# Altium PCB Computer_Board_Mockup.PcbDoc (part 5 of 5)
Units mm, origin at the board's own origin, x right, y up, seen from the top; angles counter-clockwise.
Board outline 185 x 165 mm, 4 copper layers (Top Layer, Layer 1, Layer 2, Bottom Layer), stack 1.57 mm thick; 400 components, 369 nets, 1989 pads, 984 vias.
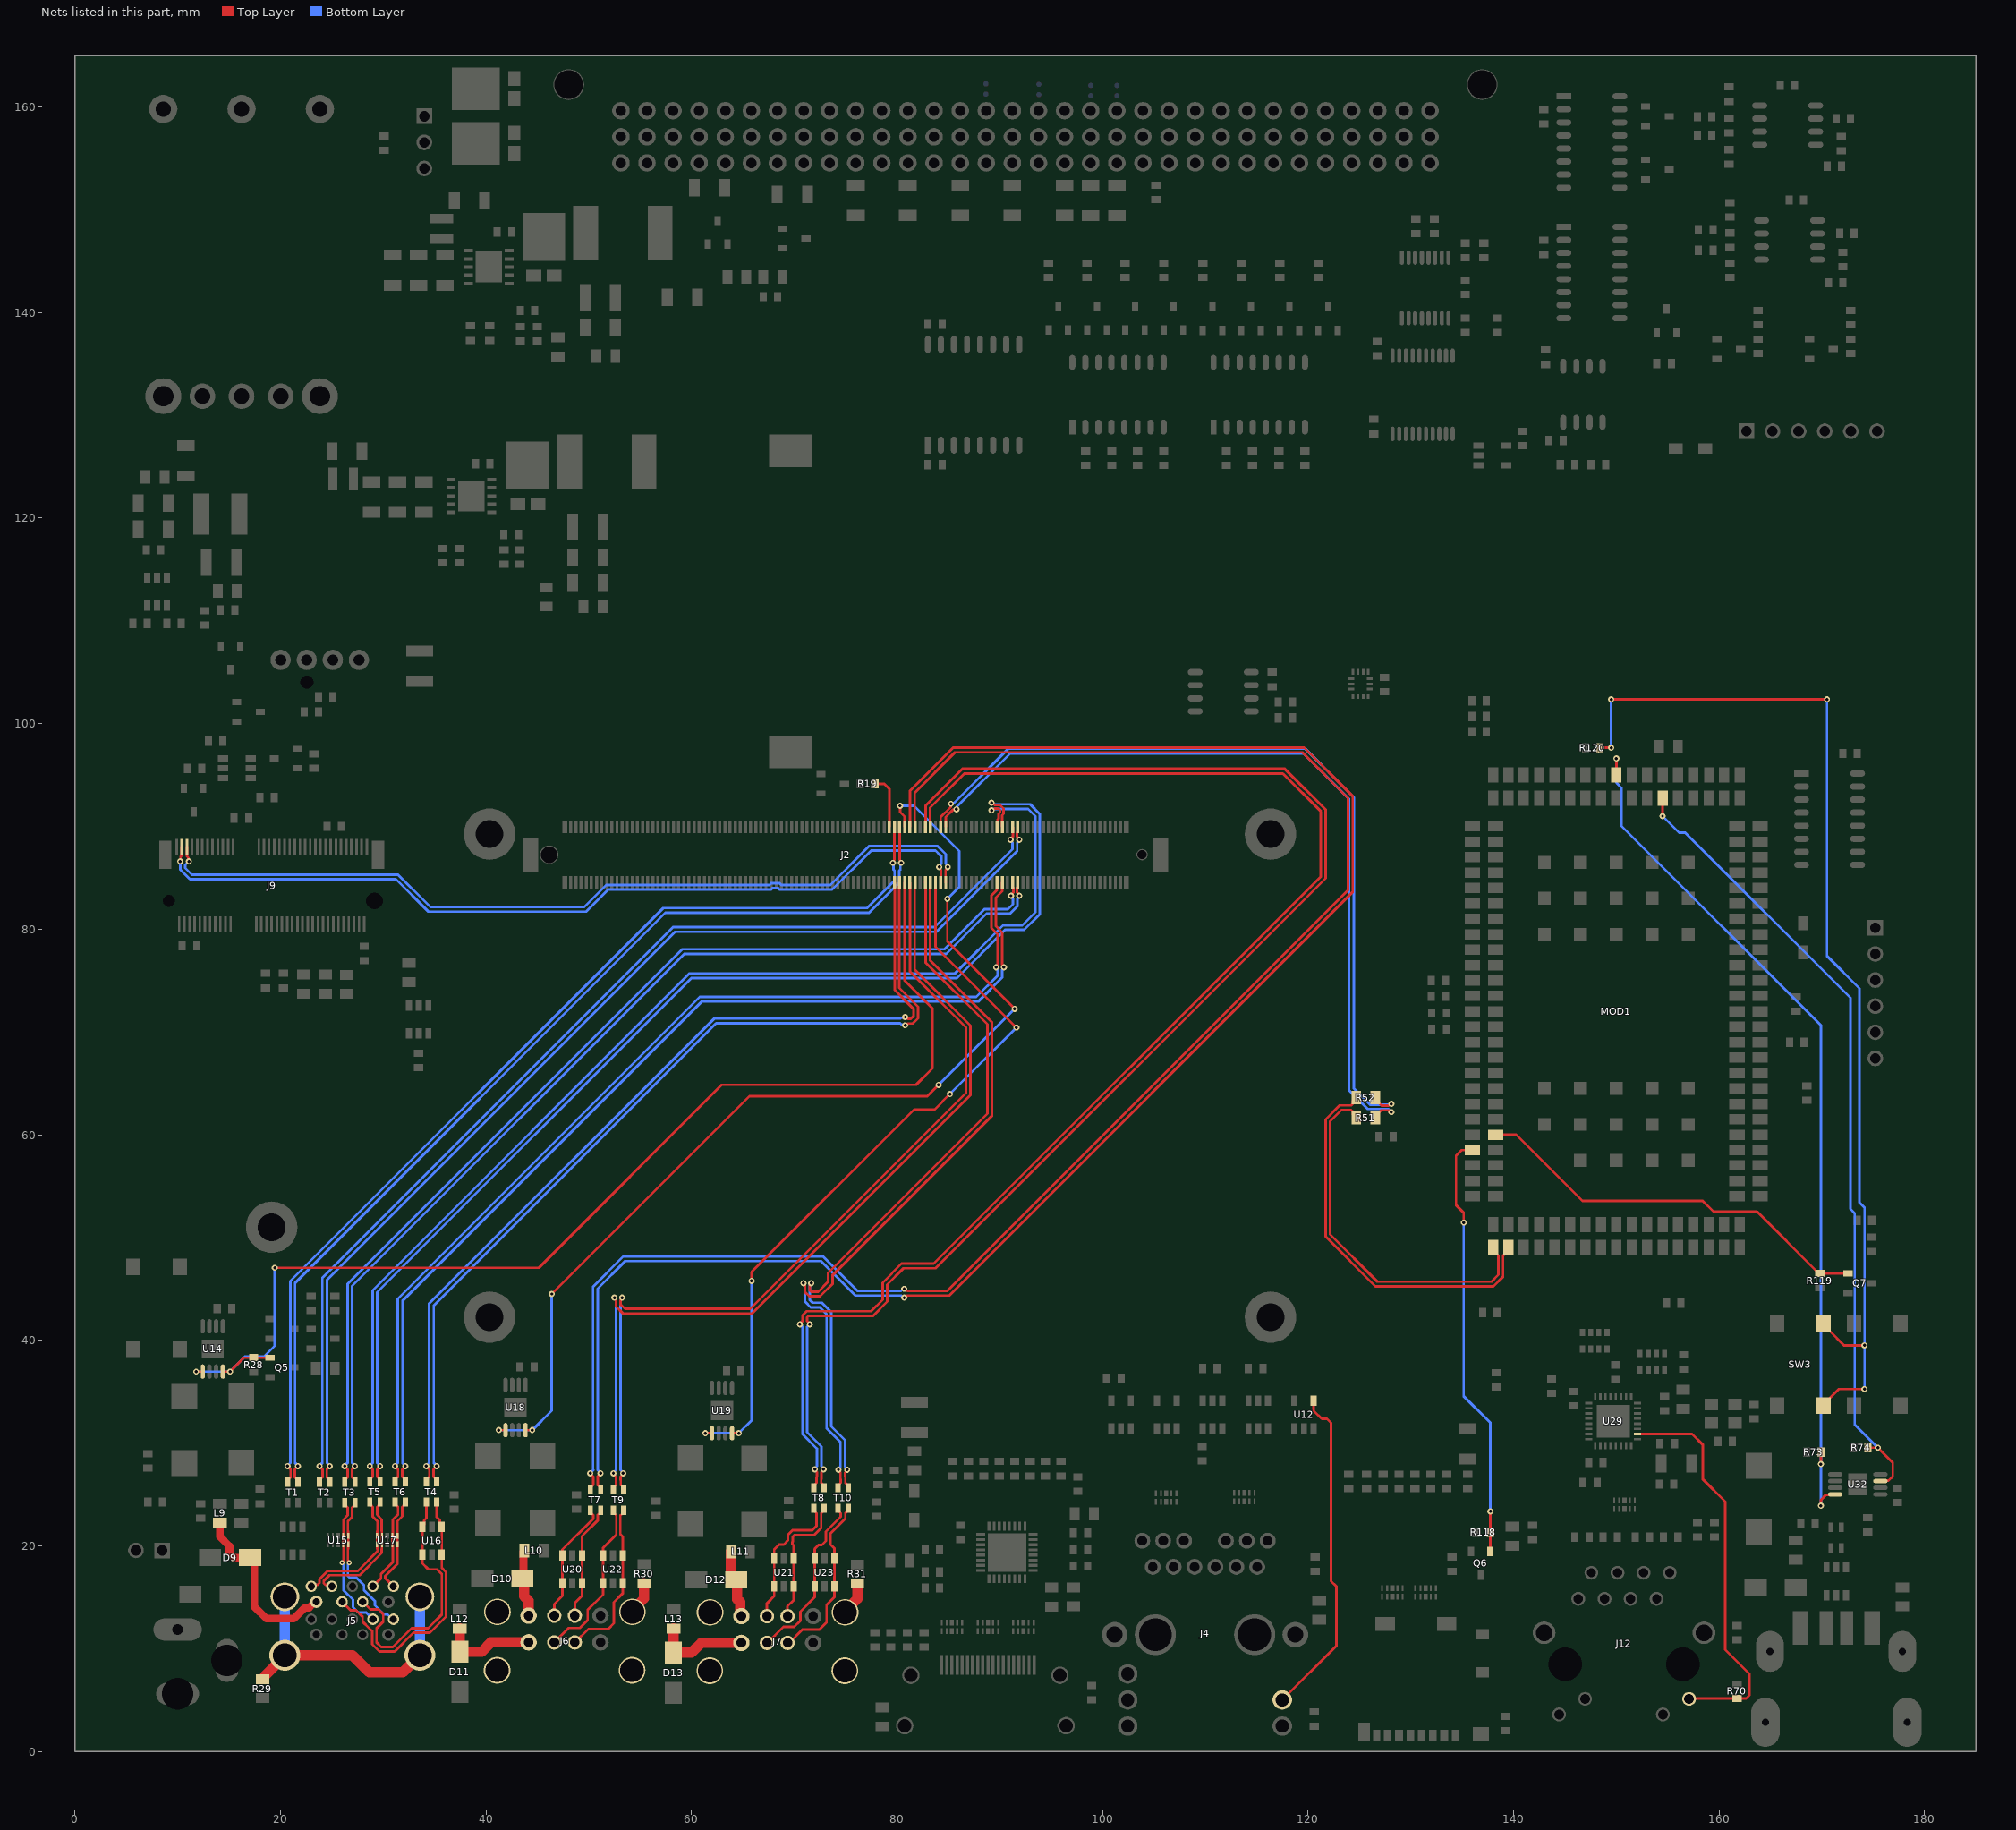
[diagram p7: the nets of this part, all layers, seen from the top]

## Via types
v1: diameter 0.6, hole 0.3, Top Layer to Bottom Layer, tented both sides, 775 vias
v2: diameter 0.8, hole 0.4, Top Layer to Bottom Layer, tented both sides, 113 vias
v3: diameter 0.5, hole 0.2, Top Layer to Bottom Layer, tented both sides, 38 vias
v4: diameter 0.6, hole 0.3, Top Layer to Bottom Layer, 22 vias
v5: diameter 0.45, hole 0.2, Top Layer to Bottom Layer, tented both sides, 16 vias
v6: diameter 0.9, hole 0.5, Top Layer to Bottom Layer, tented both sides, 12 vias
v7: diameter 0.5, hole 0.25, Top Layer to Bottom Layer, tented both sides, 5 vias
v8: diameter 0.45, hole 0.25, Top Layer to Bottom Layer, tented both sides, 3 vias

## Nets (pads, with @x,y where several pads share a name; then routed paths per layer and width w, separated by ;. In a path a pad name is that pad's centre, name@x,y a point inside that pad or via, vN(x,y) a via of type N, cw(c..) or ccw(c..) an arc to the next point about the centre after c; other vN are vias at no path point) (continued)
USB0_C_TX_N: J5.8 T3.3 U15.4 U15.7 | length 13.4
  Top Layer w0.25: v3(26,18.35) 26,18.418 26.137,18.555 26.137,19.682 26.125,19.694 26.125,20.107 U15.4@26.1,20.132 U15.7@26.1,20.968 26.125,20.993 26.125,21.406 26.137,21.418 26.137,22.573 26.538,22.973 26.538,23.729 26.391,23.875 26.375,23.875 26.25,24 T3.3@26.25,24.2
  Bottom Layer w0.25: v3(26,18.35) 26,18.282 26.137,18.145 26.137,16.425 26.125,16.412 26.125,15.688 27.05,14.763 27.05,14.037 27.587,13.5 28.35,13.5 J5.8@29,12.85
USB0_C_TX_P: J5.9 T3.2 U15.5 U15.6 | length 14.3
  Top Layer w0.25: v3(26.7,18.35) 26.7,18.418 26.562,18.555 26.562,19.682 26.575,19.694 26.575,20.107 U15.5@26.6,20.132 U15.6@26.6,20.968 26.575,20.993 26.575,21.406 26.562,21.418 26.562,22.397 26.963,22.797 26.963,23.729 27.109,23.875 27.125,23.875 27.25,24 T3.2@27.25,24.2
  Bottom Layer w0.25: v3(26.7,18.35) 26.7,18.282 26.562,18.145 26.562,17.071 26.709,16.925 27.362,16.925 28.125,16.162 28.125,15.688 29.2,14.613 29.2,14.2 30.074,13.326 30.429,13.326 30.905,12.85 J5.9@31,12.85
USB0_N: J2.A45 T1.1 | length 99.9
  Top Layer w0.25: T1.1@21.7,26.2 21.7,26.4 21.575,26.525 21.559,26.525 21.412,26.671 21.412,27.201 21.412,27.429 21.7,27.716 v1(21.7,27.75) ; 80.25,86.75 J2.A45@80.25,89.95
  Bottom Layer w0.25: v1(21.7,27.75) 21.7,27.796 21.425,28.071 21.425,45.575 57.45,81.6 77.286,81.6 80.218,84.532 80.218,85.682 80.333,85.797 80.333,86.383 v1(80.4,86.45)
USB0_P: J2.A46 T1.4 | length 99.9
  Top Layer w0.25: T1.4@20.7,26.2 20.7,26.4 20.825,26.525 20.841,26.525 20.987,26.671 20.987,27.025 20.987,27.429 20.7,27.716 v1(20.7,27.75) ; 79.75,86.75 J2.A46@79.75,89.95
  Bottom Layer w0.25: v1(20.7,27.75) 20.7,27.796 20.975,28.071 20.975,45.761 57.264,82.05 77.1,82.05 79.768,84.718 79.768,85.682 79.667,85.783 79.667,86.383 v1(79.6,86.45)
USB1_5V: D9.1 J5.10 L9.2 | length 17.7
  Top Layer w0.75: L9.2@14.1,22.25 14.1,20.9 15.05,19.95 15.05,19.3 15.5,18.85 D9.1@17.05,18.85 17.45,18.45 17.45,14.1 18.65,12.9 21.3,12.9 22.375,13.975 22.803,13.975 23.378,14.55 J5.10@23.5,14.55
USB1_C_N: J5.11 T4.2 U16.1 U16.6 | length 26.1
  Top Layer w0.25: J5.11@26,14.55 26.825,13.725 27.362,13.725 28,13.087 28,12.613 28.638,11.975 28.642,11.975 28.925,11.692 28.925,10.424 29.624,9.725 31.126,9.725 32.951,11.55 34.551,11.55 36.125,13.124 36.125,17.424 35.7,17.849 U16.6@35.7,19.15 U16.1@35.7,21.85 35.525,22.025 35.525,22.475 35.2,22.8 T4.2@35.2,24.25
USB1_C_P: J5.12 T4.3 U16.3 U16.4 | length 25.8
  Top Layer w0.25: J5.12@28,14.55 28.75,13.8 29.55,13.8 30,13.35 30,12.613 29.35,11.963 29.35,10.6 29.8,10.15 30.95,10.15 32.775,11.975 34.375,11.975 35.7,13.3 35.7,17.248 35.249,17.699 34.401,17.699 33.8,18.3 U16.4@33.8,19.15 U16.3@33.8,21.85 33.975,22.025 33.975,22.475 34.2,22.7 T4.3@34.2,24.25
USB1_C_RX_N: J5.14 T5.3 U17.1 U17.10 | length 13.2
  Top Layer w0.25: J5.14@23,16.05 23.163,16.213 23.637,16.213 23.788,16.364 23.788,16.747 24.605,17.565 27.533,17.565 29.438,19.469 29.438,19.682 29.425,19.694 29.425,20.107 U17.1@29.4,20.132 U17.10@29.4,20.968 29.425,20.993 29.425,21.406 29.438,21.418 29.438,22.397 28.988,22.847 28.988,23.779 28.841,23.925 28.825,23.925 28.7,24.05 T5.3@28.7,24.25
USB1_C_RX_P: J5.15 T5.2 U17.2 U17.9 | length 13.2
  Top Layer w0.25: J5.15@25,16.05 24.837,16.213 24.363,16.213 24.213,16.364 24.213,16.571 24.781,17.14 27.709,17.14 29.863,19.293 29.863,19.682 29.875,19.694 29.875,20.107 U17.2@29.9,20.132 U17.9@29.9,20.968 29.875,20.993 29.875,21.406 29.863,21.418 29.863,22.573 29.413,23.023 29.413,23.779 29.559,23.925 29.575,23.925 29.7,24.05 T5.2@29.7,24.25
USB1_C_TX_N: J5.17 T6.3 U17.4 U17.7 | length 9.4
  Top Layer w0.25: J5.17@29,16.05 29.788,16.838 29.788,17.254 30.937,18.404 30.937,19.682 30.925,19.694 30.925,20.107 U17.4@30.9,20.132 U17.7@30.9,20.968 30.925,20.993 30.925,21.406 30.937,21.418 30.937,22.548 31.438,23.048 31.438,23.779 31.291,23.925 31.275,23.925 31.15,24.05 T6.3@31.15,24.25
USB1_C_TX_P: J5.18 T6.2 U17.5 U17.6 | length 9.4
  Top Layer w0.25: J5.18@31,16.05 30.213,16.837 30.213,17.078 31.363,18.228 31.363,19.682 31.375,19.694 31.375,20.107 U17.5@31.4,20.132 U17.6@31.4,20.968 31.375,20.993 31.375,21.406 31.363,21.418 31.363,22.372 31.863,22.872 31.863,23.779 32.009,23.925 32.025,23.925 32.15,24.05 T6.2@32.15,24.25
USB1_DRVVBUS: MOD1.107 R74.2 U32.3 | length 78
  Top Layer w0.25: v1(154.5,91) MOD1.107@154.5,92.75 ; R74.2@174.5,29.55 v1(175.45,29.55) 176.9,28.1 176.9,26.75 176.483,26.333 175.733,26.333 U32.3@175.7,26.3
  Bottom Layer w0.25: v1(154.5,91) 156.1,89.4 156.7,89.4 172.775,73.325 172.775,52.775 173.2,52.35 173.2,31.8 v1(175.45,29.55)
USB1_N: J2.B45 T4.1 | length 90.3
  Top Layer w0.25: T4.1@35.2,26.25 35.2,26.45 35.075,26.575 35.059,26.575 34.912,26.721 34.912,27.429 v1@35.2,27.716 ; J2.B45@80.25,84.55 80.225,84.525 80.225,84.025 80.225,74.275 82.05,72.45 82.05,71.333 81.542,70.825 81.07,70.825 80.895,70.65 v1(80.8,70.65)
  Bottom Layer w0.25: v1(35.2,27.75) 35.2,27.796 34.925,28.071 34.925,34.35 34.925,43.375 62.4,70.85 80.3,70.85 80.433,70.717 80.733,70.717 v1(80.8,70.65)
USB1_OCn: MOD1.93 R73.1 U32.8 | length 85.9
  Top Layer w0.25: MOD1.93@150,95 v1(150,96.6) ; v1(169.9,23.9) 169.9,24.45 170.417,24.967 171.267,24.967 U32.8@171.3,25 ; v1(169.9,27.95) R73.1@169.9,29.1
  Bottom Layer w0.25: v1(150,96.6) 150,94.25 150.5,93.75 150.5,90.05 169.9,70.65 v1(169.9,27.95) v1(169.9,23.9)
USB1_P: J2.B46 T4.4 | length 90.3
  Top Layer w0.25: T4.4@34.2,26.25 34.2,26.45 34.325,26.575 34.341,26.575 34.487,26.721 34.487,27.429 v1@34.2,27.716 ; J2.B46@79.75,84.55 79.775,84.525 79.775,74.089 81.6,72.264 81.6,71.52 81.355,71.275 81.07,71.275 80.895,71.45 v1(80.8,71.45)
  Bottom Layer w0.25: v1(34.2,27.75) 34.2,27.796 34.475,28.071 34.475,34.536 34.475,43.561 62.214,71.3 80.3,71.3 80.383,71.383 80.733,71.383 v1(80.8,71.45)
USB2_5V: D10.1 J6.1 L10.2 | length 6.6
  Top Layer w0.75: D10.1@43.65,16.8 43.65,19.45 L10.2@43.75,19.55 ; D10.1@43.85,16.8 D10.1@43.9,16.75
  Top Layer w1: D10.1@43.7,16.75 43.7,15.1 44.15,14.65 J6.1@44.15,13.2
USB2_C_N: J6.2 T7.3 U20.1 U20.6 | length 11.9
  Top Layer w0.25: J6.2@46.65,13.2 46.65,14.343 47.45,15.143 U20.1@47.45,16.35 U20.6@47.45,19.05 47.45,19.637 50.438,22.625 50.438,22.979 50.291,23.125 50.275,23.125 50.15,23.25 T7.3@50.15,23.45
USB2_C_P: J6.3 T7.2 U20.3 U20.4 | length 11.3
  Top Layer w0.25: J6.3@48.65,13.2 48.65,14.432 49.35,15.132 U20.3@49.35,16.35 U20.4@49.35,19.05 49.35,20.936 50.863,22.449 50.863,22.979 51.009,23.125 51.025,23.125 51.15,23.25 T7.2@51.15,23.45
USB2_N: J2.A42 T7.4 | length 170.5
  Top Layer w0.25: T7.4@50.15,25.45 50.15,25.65 50.275,25.775 50.291,25.775 50.438,25.921 50.438,26.729 50.15,27.016 v1(50.15,27.05) ; v1(80.7,45) 80.795,45 80.995,44.8 84.9,44.8 123.9,83.8 123.9,92.75 119.45,97.2 85.65,97.2 81.725,93.275 81.725,90.475 81.725,89.975 J2.A42@81.75,89.95
  Bottom Layer w0.25: v1(50.15,27.05) 50.15,27.084 50.438,27.371 ; 50.425,27.371 50.425,34.525 50.425,45.211 53.364,48.15 72.8,48.15 76.15,44.8 80.405,44.8 80.605,45 v1(80.7,45)
USB2_P: J2.A43 T7.1 | length 171.9
  Top Layer w0.25: T7.1@51.15,25.45 51.15,25.65 51.025,25.775 51.009,25.775 50.863,25.921 50.863,26.729 51.15,27.016 v1(51.15,27.05) ; v1(80.7,44.15) 80.795,44.15 80.995,44.35 85.086,44.35 124.35,83.614 124.35,92.936 119.636,97.65 85.464,97.65 81.275,93.461 81.275,89.975 J2.A43@81.25,89.95
  Bottom Layer w0.25: v1(51.15,27.05) 51.15,27.096 50.875,27.371 50.875,34.711 50.875,45.025 53.55,47.7 72.614,47.7 75.964,44.35 80.405,44.35 80.605,44.15 v1(80.7,44.15)
USB3_5V: D11.1 J6.5 L12.2 | length 9.3
  Top Layer w1: L12.2@37.45,11.95 D11.1@37.45,9.7 39.6,9.7 40.5,10.6 J6.5@44.15,10.6
USB3_C_N: J6.6 T9.3 U22.1 U22.6 | length 16.1
  Top Layer w0.25: J6.6@46.65,10.6 48.05,12 49.15,12 49.9,12.75 49.9,13.75 51.4,15.25 U22.1@51.4,16.35 U22.6@51.4,19.05 51.4,19.8 52.688,21.088 52.688,22.979 52.541,23.125 52.525,23.125 52.4,23.25 T9.3@52.4,23.45
USB3_C_P: J6.7 T9.2 U22.3 U22.4 | length 16.2
  Top Layer w0.25: J6.7@48.65,10.6 49.95,11.9 51.9,11.9 52.45,12.45 52.45,14.5 53.3,15.35 U22.3@53.3,16.35 U22.4@53.3,19.05 53.3,20.9 53.075,21.125 53.075,22.941 53.259,23.125 53.275,23.125 53.4,23.25 T9.2@53.4,23.45
USB3_N: J2.B42 T9.4 | length 86.6
  Top Layer w0.25: T9.4@52.4,25.45 52.4,25.65 52.525,25.775 T9.4@52.529,25.775 ; v1(52.4,27.05) 52.4,26.979 52.65,26.729 52.65,26.189 52.675,26.164 52.675,25.921 T9.4@52.529,25.775 ; v1(52.5,44.15) 52.5,44.055 52.65,43.905 52.65,43.289 53.335,42.603 65.903,42.603 87.15,63.85 87.15,70.636 81.725,76.061 81.725,84.025 81.725,84.525 J2.B42@81.75,84.55 ; T9.4@52.541,25.775 T9.4@52.529,25.775
  Bottom Layer w0.25: v1(52.4,27.05) 52.4,27.121 52.65,27.371 52.65,34.35 52.65,43.905 52.5,44.055 v1(52.5,44.15)
USB3_P: J2.B43 T9.1 | length 85.1
  Top Layer w0.25: v1(53.25,44.15) 53.25,44.055 53.1,43.905 53.1,43.475 53.522,43.053 65.717,43.053 86.7,64.036 86.7,70.45 81.275,75.875 81.275,84.525 J2.B43@81.25,84.55 ; v1(53.35,27.05) 53.35,26.979 53.1,26.729 53.1,26.375 53.125,26.35 53.125,25.921 53.271,25.775 53.275,25.775 53.4,25.65 T9.1@53.4,25.45
  Bottom Layer w0.25: v1(53.25,44.15) 53.25,44.055 53.1,43.905 53.1,34.536 53.1,27.371 53.35,27.121 v1(53.35,27.05)
USB4_5V: D12.1 J7.1 L11.2 | length 6.9
  Top Layer w1: L11.2@63.85,19.45 63.85,17.025 D12.1@64.175,16.7 ; D12.1@64.35,16.7 D12.1@64.175,16.7 ; J7.1@64.85,13.15 64.735,13.265 64.735,14.515 64.45,14.8 64.45,16.425 D12.1@64.175,16.7
USB4_C_N: J7.2 T8.3 U21.1 U21.6 | length 14
  Top Layer w0.25: J7.2@67.35,13.15 67.35,14.4 68.05,15.1 U21.1@68.05,16.05 U21.6@68.05,18.75 68.05,19.65 68.527,20.127 68.977,20.127 69.404,20.554 69.404,21.065 69.839,21.5 71.754,21.5 72.175,21.921 72.175,23.179 72.029,23.325 72.025,23.325 71.9,23.45 T8.3@71.9,23.65
USB4_C_P: J7.3 T8.2 U21.3 U21.4 | length 13.2
  Top Layer w0.25: J7.3@69.35,13.15 69.35,14.1 69.95,14.7 U21.3@69.95,16.05 U21.4@69.95,18.75 69.95,20.05 69.829,20.171 69.829,20.378 69.854,20.403 69.854,20.878 70.026,21.05 71.94,21.05 72.625,21.735 72.625,23.179 72.771,23.325 72.775,23.325 72.9,23.45 T8.2@72.9,23.65
USB4_N: J2.A39 T8.4 | length 136.1
  Top Layer w0.25: v1(70.55,41.55) 70.55,41.621 70.8,41.871 70.8,42.411 71.21,42.821 77.485,42.821 78.6,43.936 78.6,45.6 80.45,47.45 83.564,47.45 121.25,85.136 121.25,91.45 117.55,95.15 86.55,95.15 83.225,91.825 83.225,89.975 J2.A39@83.25,89.95 ; T8.4@71.9,25.65 71.9,25.85 72.025,25.975 72.029,25.975 72.175,26.121 72.175,26.661 72.2,26.686 72.2,27.155 72,27.355 v1(72,27.45)
  Bottom Layer w0.25: v1(70.55,41.55) 70.8,41.3 70.8,30.864 72.132,29.532 72.2,29.464 72.2,27.745 72,27.545 v1(72,27.45)
USB4_P: J2.A40 T8.1 | length 137.6
  Top Layer w0.25: v1(71.5,41.55) 71.5,41.621 71.25,41.871 71.25,42.225 71.396,42.371 77.671,42.371 79.05,43.75 79.05,45.414 80.636,47 83.75,47 121.7,84.95 121.7,91.636 117.736,95.6 86.364,95.6 82.775,92.011 82.775,89.975 J2.A40@82.75,89.95 ; v1(72.85,27.45) 72.85,27.355 72.65,27.155 72.65,26.5 72.625,26.475 72.625,26.121 72.771,25.975 72.775,25.975 72.9,25.85 T8.1@72.9,25.65
  Bottom Layer w0.25: v1(71.5,41.55) 71.25,41.3 71.25,31.05 72.65,29.65 72.65,27.745 72.85,27.545 v1(72.85,27.45)
USB5_5V: D13.1 J7.5 L13.2 | length 9.3
  Top Layer w1: L13.2@58.25,11.95 D13.1@58.25,9.6 60,9.6 60.95,10.55 J7.5@64.85,10.55
USB5_C_N: J7.6 T10.3 U23.1 U23.6 | length 17
  Top Layer w0.25: J7.6@67.35,10.55 67.4,10.55 68.95,12.1 70,12.1 70.6,12.7 70.6,13.6 72,15 U23.1@72,16.05 U23.6@72,18.75 72,19.7 72.369,20.069 72.685,20.069 73.082,20.466 73.082,21.382 74.525,22.825 74.525,23.179 74.379,23.325 74.375,23.325 74.25,23.45 T10.3@74.25,23.65
USB5_C_P: J7.7 T10.2 U23.3 U23.4 | length 16.9
  Top Layer w0.25: J7.7@69.35,10.55 69.5,10.55 70.8,11.85 72.45,11.85 73.15,12.55 73.15,14.25 73.9,15 U23.3@73.9,16.05 U23.4@73.9,18.75 73.9,19.75 73.479,20.171 73.532,20.224 73.532,21.195 74.975,22.639 74.975,23.179 75.121,23.325 75.125,23.325 75.25,23.45 T10.2@75.25,23.65
USB5_N: J2.B39 T10.4 | length 74.5
  Top Layer w0.25: v1(70.9,45.55) 70.9,45.455 71.05,45.305 71.05,44.689 71.46,44.279 72.518,44.279 73.75,45.51 73.75,46.35 89.25,61.85 89.25,70.936 83.225,76.961 83.225,84.025 83.225,84.525 J2.B39@83.25,84.55 ; T10.4@74.25,25.65 74.25,25.85 74.375,25.975 74.379,25.975 74.525,26.121 74.525,26.475 74.5,26.5 74.5,27.105 74.3,27.305 v1(74.3,27.4)
  Bottom Layer w0.25: v1(70.9,45.55) 70.9,45.455 71.05,45.305 71.05,43.76 71.61,43.2 72.5,43.2 73.15,42.55 73.15,34.275 73.15,33.793 73.15,31.44 74.5,30.09 74.5,27.695 74.3,27.495 v1(74.3,27.4)
USB5_P: J2.B40 T10.1 | length 73
  Top Layer w0.25: v1(71.65,45.55) 71.65,45.455 71.5,45.305 71.5,44.875 71.646,44.729 72.332,44.729 73.3,45.696 73.3,46.536 88.8,62.036 88.8,70.75 82.775,76.775 82.775,84.525 J2.B40@82.75,84.55 ; v1(75.15,27.4) 75.15,27.305 74.95,27.105 74.95,26.686 74.975,26.661 74.975,26.121 75.121,25.975 75.125,25.975 75.25,25.85 T10.1@75.25,25.65
  Bottom Layer w0.25: v1(71.65,45.55) 71.65,45.455 71.5,45.305 71.5,43.946 71.796,43.65 72.686,43.65 73.6,42.736 73.6,34.704 73.6,34.461 73.6,31.626 74.95,30.276 74.95,27.695 75.15,27.495 v1(75.15,27.4)
USB6_BBB_N: MOD1.2 R52.2 | length 38.1
  Top Layer w0.25: R52.2@124.7,63.6 124.35,63.25 124.35,62.996 124.204,62.85 123.064,62.85 121.7,61.486 121.7,50.1 126.55,45.25 138.04,45.25 138.975,46.185 138.975,48.229 139.121,48.375 139.125,48.375 139.5,48.75 MOD1.2@139.5,49
USB6_BBB_P: MOD1.1 R51.2 | length 35.9
  Top Layer w0.25: R51.2@124.7,61.65 124.35,62 124.35,62.254 124.204,62.4 123.25,62.4 122.15,61.3 122.15,50.286 126.736,45.7 137.854,45.7 138.525,46.371 138.525,48.229 138.379,48.375 138.375,48.375 138,48.75 MOD1.1@138,49
USB6_N: J2.A36 R51.1 | length 80.1
  Top Layer w0.254: J2.A36@84.75,89.95 84.75,90.909 85.471,91.629 85.751,91.629 v1(85.786,91.664) ; R51.1@126.55,61.65 126.55,61.825 127.102,62.377 127.829,62.377 128.006,62.2 v1(128.1,62.2)
  Bottom Layer w0.25: v1(85.786,91.664) 85.853,91.731 85.853,91.943 91.009,97.1 119.55,97.1 122.3,94.35 124,92.65 124,64.314 125.132,63.182 125.435,62.878 125.814,62.5 127.8,62.5 127.845,62.455
  Bottom Layer w0.254: 127.845,62.455 v1(128.1,62.2)
USB6_P: J2.A37 R52.1 | length 80.7
  Top Layer w0.254: J2.A37@84.25,89.95 84.25,90.909 85.22,91.88 85.22,92.16 v1(85.255,92.195) ; R52.1@126.55,63.6 126.55,63.425 127.148,62.827 127.833,62.827 128.006,63 v1(128.1,63)
  Bottom Layer w0.25: v1(85.255,92.195) 85.322,92.262 85.534,92.262 90.823,97.55 119.736,97.55 122.922,94.365 124.45,92.836 124.45,64.5 126.017,62.933 128.033,62.933 v1(128.1,63)
USB7_N: J2.B36 J9.5 | length 83.7
  Top Layer w0.25: J9.5@10.9,88.025 10.9,87.302 10.9,87.085 11.033,86.952 11.033,86.667 v1(11.1,86.6) ; J2.B36@84.75,84.55 84.725,84.575 84.725,85.075 84.725,85.73 84.95,85.955 v1(84.95,86.05)
  Bottom Layer w0.25: v1(11.1,86.6) 10.75,86.25 10.75,85.936 11.386,85.3 31.436,85.3 34.586,82.15 49.564,82.15 51.714,84.3 67.586,84.3 67.74,84.455 68.59,84.455 68.744,84.3 73.514,84.3 77.314,88.1 83.936,88.1 84.75,87.286 84.75,86.345 84.95,86.145 v1(84.95,86.05)
USB7_P: J2.B37 J9.3 | length 83.6
  Top Layer w0.25: v1(10.25,86.6) 10.277,86.627 10.277,87.027 10.4,87.15 J9.3@10.4,88.025 ; v1(84.1,86.05) 84.1,85.955 84.275,85.78 84.275,84.575 J2.B37@84.25,84.55
  Bottom Layer w0.25: v1(10.25,86.6) 10.25,85.8 11.2,84.85 31.25,84.85 34.4,81.7 49.75,81.7 51.9,83.85 67.772,83.85 67.927,84.005 68.403,84.005 68.558,83.85 73.7,83.85 77.5,87.65 83.75,87.65 84.3,87.1 84.3,86.345 84.1,86.145 v1(84.1,86.05)
USB_0_1_OC#: J2.B44 Q5.1 R28.1 U14.5 U14.8 | length 113.3
  Top Layer w0.25: v1(11.8,36.95) U14.5@12.45,36.95 ; U14.8@14.4,36.95 v1(15.1,36.95) 16.45,38.3 Q5.1@19,38.3 ; v1(19.45,47.05) 45.15,47.05 62.95,64.85 81.85,64.85 83.45,66.45 83.45,72.3 80.75,75 J2.B44@80.75,84.55
  Bottom Layer w0.25: v1(11.8,36.95) v1(15.1,36.95) 16.55,38.4 18.4,38.4 19.45,39.45 v1(19.45,47.05)
USB_0_1_SHLD: J5.19 R29.2 | length 28.8
  Top Layer w1: R29.2@18.4,7.25 20.43,9.28 J5.19@20.43,9.35 27,9.35 28.65,7.7 31.92,7.7 J5.19@33.57,9.35
  Bottom Layer w1: J5.19@20.43,9.35 J5.19@20.43,15.04 ; J5.19@33.57,9.35 J5.19@33.57,15.04
USB_2_3_OC#: J2.A44 U18.5 U18.8 | length 103.5
  Top Layer w0.25: v1(41.25,31.25) U18.5@41.9,31.25 ; U18.8@43.85,31.25 v1(44.5,31.25) ; v1(46.4,44.5) 65.65,63.75 82.95,63.75 v1(84.05,64.85) ; v1(80.3,92) 80.3,91.4 80.75,90.95 J2.A44@80.75,89.95 ; v1(84.9,82.95) 84.9,78.8 v1(91.45,72.25)
  Bottom Layer w0.25: v1(41.25,31.25) v1(44.5,31.25) 46.4,33.15 v1(46.4,44.5) ; v1(80.3,92) 81.65,92 86.05,87.6 86.05,84.1 v1(84.9,82.95) ; v1(84.05,64.85) v1(91.45,72.25)
USB_2_3_SHLD: J6.9 R30.2 | length 3.3
  Top Layer w1: J6.9@54.25,13.57 54.25,13.745 55.4,14.895 R30.2@55.4,16.35
USB_4_5_OC#: J2.B38 U19.5 U19.8 | length 73.8
  Top Layer w0.25: v1(61.35,30.95) U19.5@62,30.95 ; U19.8@63.95,30.95 v1(64.6,30.95) ; v1(65.85,45.775) 65.85,46.65 81.65,62.45 83.65,62.45 v1(85.15,63.95) ; J2.B38@83.75,84.55 83.75,78.3 v1@91.631,70.419
  Bottom Layer w0.25: v1(61.35,30.95) v1(64.6,30.95) 65.85,32.2 v1(65.85,45.775) ; v1(85.15,63.95) v1(91.625,70.425)
USB_4_5_SHLD: J7.9 R31.2 | length 3.3
  Top Layer w1: J7.9@74.95,13.52 74.95,13.645 76.15,14.845 R31.2@76.15,16.325
USB_SSRX0_N: J2.A22 T2.1 | length 107
  Top Layer w0.25: T2.1@24.8,26.2 24.8,26.4 24.675,26.525 24.659,26.525 24.512,26.671 24.512,27.429 v1@24.8,27.716 ; J2.A22@91.75,89.95 91.75,89.5 91.725,89.475 91.725,89.379 91.675,89.329 91.675,89.02 91.9,88.795 v1(91.9,88.7)
  Bottom Layer w0.25: v1(24.8,27.75) 24.8,27.796 24.525,28.071 24.525,45.875 58.4,79.75 83.85,79.75 91.7,87.6 91.7,88.405 91.9,88.605 v1(91.9,88.7)
USB_SSRX0_P: J2.A23 T2.4 | length 107
  Top Layer w0.25: T2.4@23.8,26.2 23.8,26.4 23.925,26.525 23.941,26.525 24.087,26.671 24.087,27.429 v1@23.8,27.716 ; v1(91.05,88.7) 91.05,88.789 91.282,89.021 91.282,89.345 91.275,89.352 91.275,89.925 J2.A23@91.25,89.95
  Bottom Layer w0.25: v1(23.8,27.75) 23.8,27.796 24.075,28.071 24.075,46.061 58.214,80.2 83.664,80.2 91.25,87.786 91.25,88.405 91.05,88.605 v1(91.05,88.7)
USB_SSRX1_N: J2.A25 T5.1 | length 116.4
  Top Layer w0.25: T5.1@29.7,26.25 29.7,26.45 29.575,26.575 29.559,26.575 29.412,26.721 29.412,27.429 v1@29.7,27.716 ; v1(89.2,92.3) 89.295,92.3 89.495,92.1 90.02,92.1 90.371,91.749 90.371,91.209 90.225,91.062 90.225,90.475 90.225,89.975 J2.A25@90.25,89.95
  Bottom Layer w0.25: v1(29.7,27.75) 29.7,27.796 29.425,28.071 29.425,44.675 60,75.25 85.836,75.25 90.518,79.932 92.382,79.932 93.9,81.45 93.9,91.2 92.95,92.15 v1@89.35,92.15
USB_SSRX1_P: J2.A26 T5.4 | length 115.1
  Top Layer w0.25: T5.4@28.7,26.25 28.7,26.45 28.825,26.575 28.841,26.575 28.987,26.721 28.987,27.429 v1@28.7,27.716 ; v1(89.2,91.55) 89.295,91.55 89.495,91.75 89.875,91.75 90.021,91.604 90.021,91.354 89.875,91.207 89.875,90.743 89.775,90.643 89.775,89.975 J2.A26@89.75,89.95
  Bottom Layer w0.25: v1(28.7,27.75) 28.7,27.796 28.975,28.071 28.975,44.861 59.814,75.7 85.65,75.7 90.332,80.382 92.195,80.382 93.45,81.636 93.45,91.014 92.764,91.7 v1@89.35,91.7
USB_SSTX0_N: J2.B22 T3.1 | length 102
  Top Layer w0.25: T3.1@27.25,26.2 27.25,26.4 27.125,26.525 27.109,26.525 26.962,26.671 26.962,27.429 v1@27.25,27.716 ; J2.B22@91.75,84.55 91.75,84.1 91.675,84.025 91.675,83.57 91.9,83.345 v1(91.9,83.25)
  Bottom Layer w0.25: v1(27.25,27.75) 27.25,27.796 26.975,28.071 26.975,45.275 59.3,77.6 84.8,77.6 88.7,81.5 91,81.5 91.725,82.225 91.725,82.98 91.9,83.155 v1(91.9,83.25)
USB_SSTX0_P: J2.B23 T3.4 | length 102
  Top Layer w0.25: T3.4@26.25,26.2 26.25,26.4 26.375,26.525 26.391,26.525 26.537,26.671 26.537,27.429 v1@26.25,27.716 ; v1(91.1,83.25) 91.1,83.345 91.325,83.57 91.325,84.025 91.25,84.1 J2.B23@91.25,84.55
  Bottom Layer w0.25: v1(26.25,27.75) 26.25,27.796 26.525,28.071 26.525,45.461 59.114,78.05 84.614,78.05 88.514,81.95 90.814,81.95 91.275,82.411 91.275,82.98 91.1,83.155 v1(91.1,83.25)
USB_SSTX1_N: J2.B25 T6.1 | length 99.2
  Top Layer w0.25: T6.1@32.15,26.25 32.15,26.45 32.025,26.575 32.009,26.575 31.862,26.721 31.862,27.429 v1@32.15,27.716 ; J2.B25@90.25,84.55 90.225,84.525 90.225,83.679 89.629,83.083 89.629,80.305 90.25,79.684 90.25,76.545 90.4,76.395 v1(90.4,76.3)
  Bottom Layer w0.25: v1(32.15,27.75) 32.15,27.796 31.875,28.071 31.875,43.825 61,72.95 87.9,72.95 90.25,75.3 90.25,76.055 90.4,76.205 v1(90.4,76.3)
USB_SSTX1_P: J2.B26 T6.4 | length 99.2
  Top Layer w0.25: T6.4@31.15,26.25 31.15,26.45 31.275,26.575 31.291,26.575 31.437,26.721 31.437,27.429 v1@31.15,27.716 ; v1(89.65,76.3) 89.65,76.395 89.8,76.545 89.8,79.497 89.179,80.118 89.179,83.269 89.733,83.823 89.733,84.533 J2.B26@89.75,84.55
  Bottom Layer w0.25: v1(31.15,27.75) 31.15,27.796 31.425,28.071 31.425,44.011 60.814,73.4 87.714,73.4 89.8,75.486 89.8,76.055 89.65,76.205 v1(89.65,76.3)
uSD_BOOT: R120.1 SW3.1 SW3.2 | length 105.1
  Top Layer w0.25: R120.1@148.4,97.65 v1(149.5,97.65) ; v1(149.5,102.35) v1(170.5,102.35) ; SW3.2@170.15,33.65 170.15,33.75 171.65,35.25 v1(174.15,35.25) ; SW3.1@170.15,41.65 170.725,41.075 170.725,40.925 172.15,39.5 v1(174.15,39.5)
  Bottom Layer w0.25: v1(149.5,97.65) v1(149.5,102.35) ; v1(170.5,102.35) 170.5,77.4 173.65,74.25 173.65,53.4 174.15,52.9 v1(174.15,39.5) v1(174.15,35.25)
USER0: MOD1.164 Q7.1 R119.1 | length 39.9
  Top Layer w0.25: MOD1.164@138.25,60 140.25,60 146.7,53.55 158.4,53.55 159.45,52.5 163.7,52.5 169.475,46.725 169.575,46.725 R119.1@169.8,46.5 Q7.1@172.55,46.5
USER1: MOD1.140 Q6.1 R118.1 | length 41.7
  Top Layer w0.25: v1(135.15,51.45) 135.15,52.4 134.4,53.15 134.4,57.95 134.95,58.5 MOD1.140@136,58.5 ; Q6.1@137.75,19.45 R118.1@137.75,21.3 v1(137.75,23.35)
  Bottom Layer w0.25: v1(135.15,51.45) 135.15,34.55 137.75,31.95 v1(137.75,23.35)
VCC_RTC: J2.A47 R19.2 | length 5.3
  Top Layer w0.25: R19.2@77.85,94.15 78.75,94.15 79.25,93.65 J2.A47@79.25,89.95
YEL_A: J12.9 R70.2 U29.2 | length 39.1
  Top Layer w0.25: U29.2@152.075,30.875 157.375,30.875 158.4,29.85 158.4,26.5 160.6,24.3 160.6,9.9 162.95,7.55 162.95,5.45 162.65,5.15 R70.2@161.75,5.15 161.727,5.127 157.098,5.127 J12.9@157.075,5.105
YEL_K: J4.13 U12.4 | length 32.5
  Top Layer w0.25: J4.13@117.49,5 122.75,10.26 122.75,16.05 122.25,16.55 122.25,31.95 121.85,32.35 121.35,32.35 120.55,33.15 U12.4@120.55,34.1
pads on no net: D5.2 D6.2 D7.2 D21.1 D22.1 J1.0 J1.A24 J1.A25 J1.A26 J1.A27 J1.A28 J1.A29 J1.A30 J1.A31 J1.A32 J1.B24 J1.B25 J1.B26 J1.B27 J1.B28 J1.B29 J1.B30 J1.B31 J1.B32 J1.C21 J1.C22 J1.C23 J1.C24 J1.C25 J1.C26 J1.C27 J1.C28 J1.C29 J1.C30 J1.C31 J1.C32 J2.0 J2.A15 J2.A16 J2.A17 J2.A18 J2.A19 J2.A20 J2.A24 J2.A27 J2.A28 J2.A29 J2.A30 J2.A32 J2.A33 J2.A34 J2.A35 J2.A38 J2.A50 J2.A52 J2.A53 J2.A54 J2.A55 J2.A56 J2.A58 J2.A59 J2.A61 J2.A62 J2.A63 J2.A64 J2.A65 J2.A67 J2.A71 J2.A72 J2.A73 J2.A74 J2.A75 J2.A76 J2.A77 J2.A78 J2.A79 J2.A81 J2.A82 J2.A83 J2.A84 J2.A85 J2.A86 J2.A87 J2.A91 J2.A92 J2.A93 J2.A94 J2.A95 J2.A96 J2.A97 J2.A98 J2.A99 J2.A101 J2.A102 J2.A103 J2.B3 J2.B4 J2.B5 J2.B6 J2.B7 J2.B8 J2.B9 J2.B10 J2.B16 J2.B17 J2.B18 J2.B19 J2.B20 J2.B24 J2.B27 J2.B28 J2.B29 J2.B30 J2.B32 J2.B33 J2.B34 J2.B35 J2.B47 J2.B48 J2.B49 J2.B52 J2.B53 J2.B54 J2.B55 J2.B56 J2.B57 J2.B58 J2.B59 J2.B61 J2.B62 J2.B63 J2.B64 J2.B65 J2.B67 J2.B77 J2.B78 J2.B79 J2.B83 J2.B88 J2.B91 J2.B92 J2.B93 J2.B94 J2.B96 J2.B97 J2.B103 J3.0 J8.13 J8.14 J9.0 J9.6 J9.8 J9.9 J9.10 J9.11 J9.12 J9.13 J9.14 J9.15 J9.16 J9.17 J9.19 J9.20 J9.21 J9.22 J9.23 J9.32 J9.34 J9.36 J9.38 J9.40 J9.42 J9.44 J9.46 J9.48 J9.50 J9.59 J9.61 J9.64 J9.65 J9.66 J9.67 J9.68 J9.70 J9.71 J9.73 J12.0 J12.7 MOD1.13 MOD1.14 MOD1.15 MOD1.16 MOD1.30 MOD1.31 MOD1.32 MOD1.33 MOD1.35 MOD1.36 MOD1.38 MOD1.39 MOD1.43 MOD1.49 MOD1.50 MOD1.51 MOD1.52 MOD1.53 MOD1.54 MOD1.56 MOD1.57 MOD1.58 MOD1.59 MOD1.60 MOD1.61 MOD1.62 MOD1.68 MOD1.69 MOD1.70 MOD1.77 MOD1.78 MOD1.79 MOD1.82 MOD1.83 MOD1.84 MOD1.85 MOD1.87 MOD1.94 MOD1.96 MOD1.97 MOD1.98 MOD1.99 MOD1.100 MOD1.101 MOD1.108 MOD1.111 MOD1.112 MOD1.113 MOD1.114 MOD1.115 MOD1.116 MOD1.117 MOD1.118 MOD1.120 MOD1.122 MOD1.123 MOD1.124 MOD1.125 MOD1.126 MOD1.127 MOD1.128 MOD1.129 MOD1.130 MOD1.131 MOD1.133 MOD1.135 MOD1.136 MOD1.141 MOD1.142 MOD1.143 MOD1.144 MOD1.145 MOD1.146 MOD1.151 MOD1.154 MOD1.155 MOD1.156 MOD1.162 MOD1.165 MOD1.167 MOD1.168 MOD1.A3 MOD1.B3 MOD1.B4 MOD1.C2 MOD1.C3 MOD1.C4 MOD1.C5 MOD1.G3 MOD1.H1 MOD1.I1 MOD1.I3 MOD1.I5 RN2.4 RN2.5 U1.3 U1.10 U2.6 U4.3 U4.10 U25.3 U25.23 U25.24 U32.5 U32.6 U33.1 U33.10 U36.4 U36.5 U36.11 U36.14 U37.7 U37.9 U37.10 U37.11 U38.4 U38.7 U38.9 U38.10 U38.11 U45.9 U45.10 U45.11 U45.12 U46.3 U46.14 U47.9 U47.10 U47.11 U47.12
copper on no net:
  other v1: 44.7,36.4

## Polygon pours and split planes (outlines as drawn)
+3.3 on Layer 1 "L1-3V3" (solid, shelved, pour order 0): 32,0 17.65,14.35 5.05,14.35 5.05,130.3 185,130.3 185,0
+5 on Layer 1 "L2-5V" (solid, shelved, pour order 4): 28.7,140.4 35.45,133.65 35.459,133.659 184.991,133.659 185,133.65 185,165 0,165 0,140.4
DGND on Layer 2 "L2-DGND" (solid, shelved, pour order 1): 4.75,130.35 4.75,136.5 27.25,136.5 33.4,130.35 185,130.35 185,0 31.95,0 16.5,15.45 0,15.45 0,130.35
GND on Layer 2 "L2-GND" (solid, shelved, pour order 3): 28.7,140.4 35.45,133.65 35.459,133.659 184.991,133.659 185,133.65 185,165 0,165 0,140.4
DGND on Top Layer "Top-DGND" (solid, shelved, pour order 2): 2.5,136.5 27.15,136.5 33.3,130.35 182.5,130.35 182.5,0 2.5,0
GND on Top Layer "Top-GND" (solid, shelved, pour order 5): 28.709,140.391 35.459,133.641 35.467,133.65 185,133.65 185.009,133.641 185.009,164.991 0.009,164.991 0.009,140.391

## Other copper
Top Layer:
  region net +5: 97.15,149.45 97.15,148 95.45,148 95.45,149.45
  region net +5: 92.05,149.45 92.05,148 90.35,148 90.35,149.45
  region net +5: 87,149.45 87,148 85.3,148 85.3,149.45
  region net +5: 81.9,149.45 81.9,148 80.2,148 80.2,149.45
  region net +5: 76.85,149.45 76.85,148 75.15,148 75.15,149.45
  region net +5: 71.4,152.35 72.85,152.35 72.85,150.65 71.4,150.65
  region net +5: 58.2,150.4 59.1,151.3 60.35,151.3 60.35,153 58.15,153 55.75,150.6 55.75,144.55 54,142.8 52.05,142.8 52.05,134.95 58.2,134.95
  region net NetC21_1: 38.75,145 30,145 30,146.15 31.5,147.65 37.25,147.65 37.25,145.9 37.7,145.45 38.75,145.45
  region net NetC19_2: 41.8,145.45 42.85,145.45 43.5,146.1 43.5,149.75 44.2,150.45 50.9,150.45 50.9,145 41.8,145
  region net +5_SBY: 175.7,25.85 176.65,25.85 176.9,26.1 179.8,26.1 179.8,25.1 176.9,25.1 176.55,25.45 175.7,25.45
  region net +5_SBY: 156,56.8 156.4,56.4 156.4,55.45 157.65,55.45 157.65,56.8 157.65,61.65 156.35,61.65 156.35,58.55 155.95,58.15 152.85,58.15 152.85,56.8
  region net BBB_USB1_VBUS: 170.45,25.85 170.15,26.15 168.35,26.15 168.05,25.85 164.85,22.65 162.55,22.65 162.55,20.05 168.3,20.05 168.3,23.5 170.25,25.45 171.4,25.45 171.4,25.85
  pour cut-out: 6.4,13.55 6.4,3.65 16.55,3.65 16.55,11.05 14.05,13.55
  region net +24V: 36.65,154.35
  region net +24V: 36.65,154.35 34.6,152.3 34.6,148.65 36.8,148.65 37.45,149.3 37.45,151.85 39.95,154.35 41.4,154.35 41.4,163.85 36.7,163.85 34.15,161.3 23.15,161.3 22.35,160.5 22.35,159.1 23.15,158.3 35.25,158.3 36.65,156.9
  region net HDMI_CHASSIS: 96.7,8.25 96.7,3.75 97.3,3.1 97.3,1.65 77.9,1.65 77.9,2.95 79.85,2.95 80.5,3.6 80.5,8.25 82.25,8.25 82.25,5.5 83.7,4.05 93.55,4.05 95,5.5 95,8.25
  region net NetC1_2: 40.1,123.2 41.05,123.2 42,124.15 42,127.5 42.65,128.15 49.35,128.15 49.35,122.7 40.1,122.7
  region net NetC2_1: 26.65,122.7 37.05,122.7 37.05,123.15 35.95,123.15 34.2,124.9 26.65,124.9
  region net +5_SBY: 59.1,82.9 59.1,85.15 60.85,85.15 60.85,81.5 57.9,78.55 39.2,78.55 33.95,83.8 33.95,100.65 36.5,100.65 36.5,85.05 40.6,80.95 57.15,80.95
  region net +12: 19.55,122.3 18.5,123.35 8.65,123.35 8.65,124.55 8.7,124.6 18.5,124.6 19.55,125.65 19.55,130.05 18.75,130.85 18.75,132.85 19.55,133.65 24.8,133.65 25.6,132.85 25.6,119.8 35.4,110 45.95,110 50.9,105.05 50.9,83.95 48.1,83.95 48.1,90.8 47.35,91.55 47.35,103.2 44.5,106.05 32.05,106.05 19.55,118.55
  region net SHIELD: 121.8,13.35 121.8,10.45 120.7,9.35 100.9,9.35 99.7,10.55 99.7,12.15 100.9,13.35
  region net NetC42_1: 61.15,22.8 61.15,24.25 62.85,25.95 62.85,30.95 62.45,30.95 62.45,30.15 61.95,29.65 61.95,26.8 58.65,23.5 58.65,22.8
  region net NetC41_1: 64.85,22.8 64.85,24.2 63.1,25.95 63.1,30.95 63.5,30.95 63.5,30.15 64,29.65 64,26.8 67.35,23.45 67.35,22.8
  region net NetC39_1: 44.25,23.1 44.25,25 43,26.25 43,31.25 43.4,31.25 43.4,30.45 43.9,29.95 43.9,26.9 46.75,24.05 46.75,23.1
  region net NetC40_1: 41.45,23.1 41.45,24.95 42.75,26.25 42.75,31.25 42.35,31.25 42.35,30.45 41.85,29.95 41.85,26.9 38.95,24 38.95,23.1
  region net NetC32_1: 13.55,32 14.95,30.6 14.95,28.8 17.45,28.8 17.45,29.6 14.45,32.6 14.45,35.65 13.95,36.15 13.95,36.95 13.55,36.95
  region net NetC33_1: 11.9,28.85 11.9,30.6 13.3,32 13.3,37 12.9,37 12.9,36.2 12.4,35.7 12.4,32.65 9.4,29.65 9.4,28.85
  region net +3.3: 10.8,81.225 10.8,77.925 9.6,77.925 9.6,80.825 10,81.225
  region net +5_SBY: 63.85,37.5 64.8,38.45 75.35,38.45 80.4,33.4 81.35,33.4 81.8,33.85 81.8,34.45 76.1,40.15 64.3,40.15 62.9,40.15 61.6,40.15 43.7,40.15 42.2,38.65 34.75,38.65 27.4,46 14.2,46 13.4,45.2 13.4,42.45 13.55,42.3 13.55,41.35 13.95,41.35 13.95,42.3 14.3,42.65 14.3,43.7 14.55,43.95 26.3,43.95 33.502,36.748 42.849,36.751 43,36.6 43,35.65 43.4,35.65 43.4,36.6 43.75,36.95 43.75,37.9 44.3,38.45 60.95,38.45 63.1,36.3 63.1,35.35 63.5,35.35 63.5,36.3 63.85,36.65
  region net +3.3: 27.5,81.225 27.5,77.925 28.7,77.925 28.7,80.825 28.3,81.225
  region net +5_SBY: 50.85,120.5 52,120.5 53.55,122.05 53.55,128.1 56.6,128.1 56.6,112.45 54.9,110.75 50.85,110.75
  region: 66.35,114.8
  region net +VIN: 42.15,158.25 42.15,154.7 43.2,153.65 56.55,153.65 56.55,160.5 52.65,160.5 50.4,158.25
  region net NetD2_1: 42.1,163.7 42.1,159.85 44.2,159.85 44.55,160.2 44.55,163.35 44.2,163.7
  region net +3.3: 15.2,122.4 15.2,110.5 17.55,110.5 17.9,110.85 17.9,122.4
  region net NetC14_1: 7.35,114.25 7.35,114.8 7.25,114.9 7.25,116.2 7.35,116.3 7.35,124.65 6.3,124.65 5.55,123.9 5.55,115.45 6.75,114.25
  region net NetC12_2: 10.8,122.4 10.8,119.1 11.5,118.4 11.7,118.4 11.7,122.4
  region net NetC12_2: 7.7,114.6 7.7,114.85 7.5,115.05 7.5,115.95 7.6,116.05 8.5,116.05 8.6,115.95 8.6,115.1 8.3,114.8 8.3,114.6
Layer 1:
  region net +5_SBY: 176.7,53.7 175.25,55.15 152.95,55.15 152.95,59.6 175.25,59.6 176.7,61.05 176.7,105.55 171.5,110.75 66.4,110.75 53.4,110.75 53.4,116.85 63.75,116.85 176.7,116.85 183.85,109.7 183.85,22.95 176.7,22.95
Layer 2:
  region net NetD2_1: 42.1,163.35 42.1,160.2 42.45,159.85 44.2,159.85 44.55,160.2 44.55,163.35 44.2,163.7 42.45,163.7
Bottom Layer:
  region net +5_SBY: 15.1,43.75 15.1,45.95 8.25,52.8 8.25,96.305 10.702,98.75 43.45,98.75 56.8,112.1 56.8,115.8 53.5,115.8 53.5,114.05 41.5,102.05 8.9,102.05 5.2,98.35 5.2,51.4 12.85,43.75
  region net BBB_USB_SHLD: 165.75,11.75 163.65,11.75 163.05,11.15 163.05,0.45 179.75,0.45 179.75,11.2 179.2,11.75 177.2,11.75 176.5,11.05 176.5,7.25 174.5,5.25 168.3,5.25 166.3,7.25 166.3,11.2
  region net USB_4_5_SHLD: 60.3,14.95 60.3,6.3 76.4,6.3 76.4,14.95 73.6,14.95 73.6,9 72.75,8.15 64.1,8.15 63.15,9.1 63.15,14.95
  region net USB_2_3_SHLD: 39.6,15 39.6,6.4 55.7,6.4 55.7,15 52.9,15 52.9,9.15 52.15,8.4 43.1,8.4 42.45,9.05 42.45,15
  region net NetC12_2: 8.65,115.05 8.65,118.35 9.7,119.4 11.4,119.4 11.4,122.4 10.4,122.4 7.45,119.45 7.45,115.05 7.6,114.9 8.5,114.9

## Silkscreen, mask and mechanical layers (free items; w line width, h text height)
Top Overlay:
  lines w0.2: 2.5,0.5 2.5,164 ; 4.6,136.55 27.15,136.55 33.3,130.4 181.55,130.4 ; 4.7,140.4 28.7,140.4 35.45,133.65 181.6,133.65 ; 8.15,52.5 8.15,51 13.65,51 ; 24.65,51 30.15,51 30.15,52.5 ; 36.35,42.15 36.35,38.25 40.35,38.25 ; 36.35,89.25 36.35,93.25 40.25,93.25 ; 116.35,93.25 120.35,93.25 120.35,89.35 ; 116.45,38.25 120.35,38.25 120.35,42.25 ; 182.5,0.5 182.5,164
  text "POS" at 28.664,158.288 h1.5
  text "NEG" at 28.664,153.238 h1.5
  text "3V3" at 163.39,123.738 h1.5 r90
  text "GND" at 176.09,123.15 h1.5 r90
  text "MOSI" at 168.47,123 h1.5 r90
  text "CS 0" at 173.55,123 h1.5 r90
  text "CLK" at 165.89,122.963 h1.5 r90
  text "MISO" at 171.01,122.95 h1.5 r90
  text "GND" at 170.488,79.4 h1.5
  text "CTS#" at 169.713,76.9 h1.5
  text "3V3" at 170.488,74.32 h1.5
  text "RX" at 170.488,71.78 h1.5
  text "TX" at 170.488,69.24 h1.5
  text "RTS#" at 169.9,66.7 h1.5
  text "PWR" at 6.214,48.338 h1.5
  text "uSD Boot" at 164.453,31.038 h1.5
  text "BBB PWR" at 172.203,31.038 h1.5
  text "PWR" at 5.314,21.138 h1.5
Mechanical 1:
  the board outline again, w0.05

## Dimensions
0,0 to 185,0 on Mechanical 1
0,0 to 0,165 on Mechanical 1